# Altium PCB BMS_Slave_back.PcbDoc (part 2 of 2) (continued)
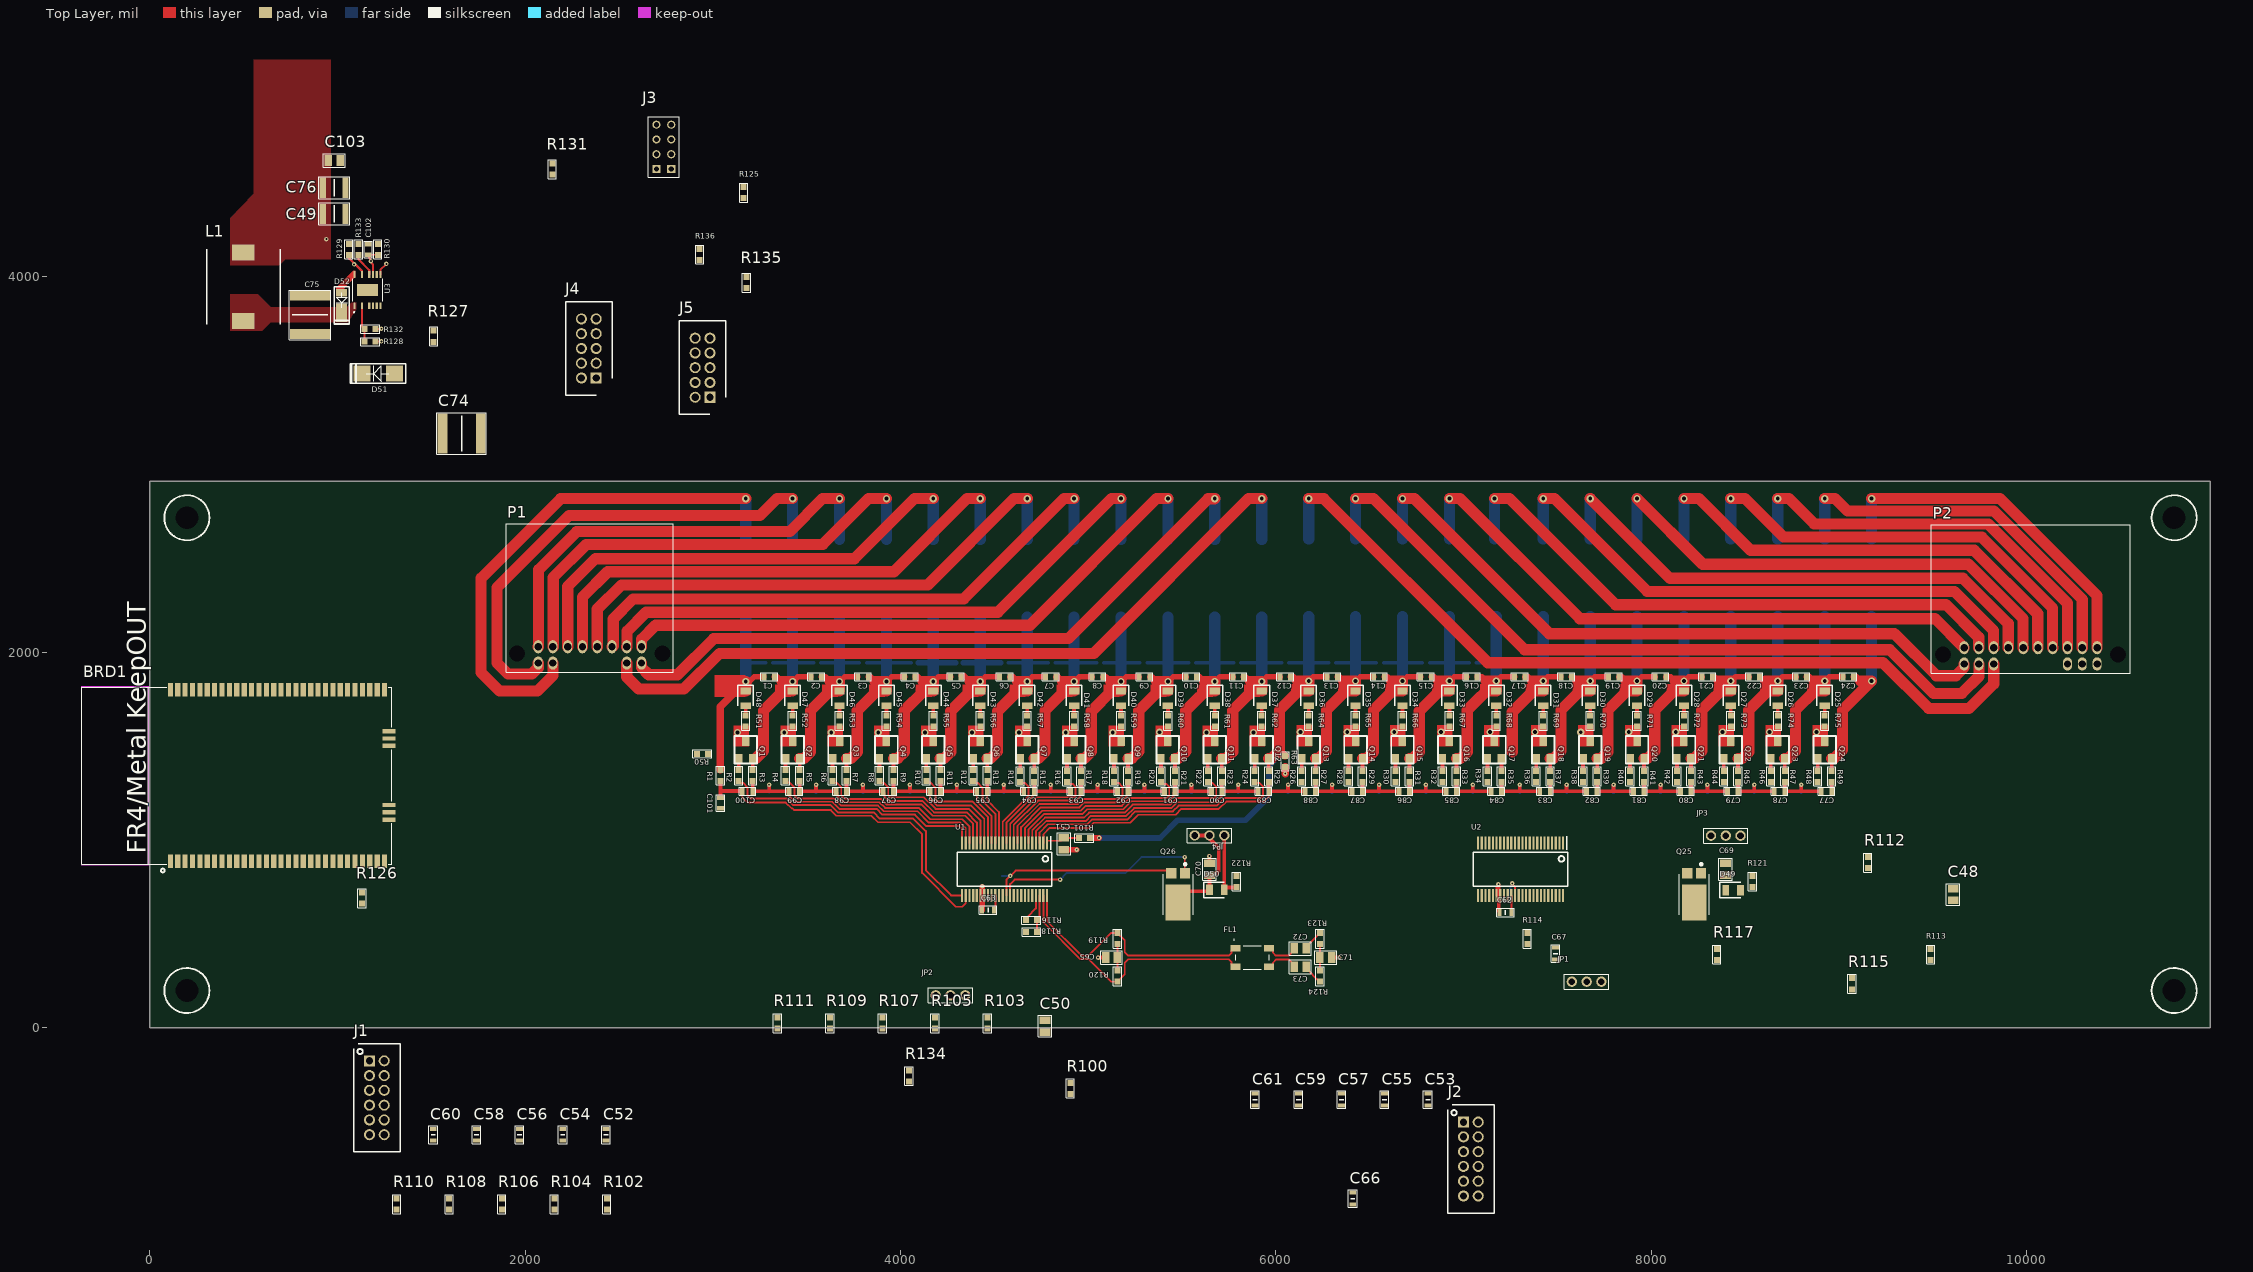
[diagram p0: Top Layer view]
## Nets (pads, with @x,y where several pads share a name; then routed paths per layer and width w, separated by ;. In a path a pad name is that pad's centre, name@x,y a point inside that pad or via, vN(x,y) a via of type N, cw(c..) or ccw(c..) an arc to the next point about the centre after c; other vN are vias at no path point) (continued)
  Bottom Layer w10: C64.1@7251.5,698.66 7251.5,755.23 7260,763.73 v2(7260,767.52)
NetC65_1: C65.1 R119.2 R120.2 | length 141
  Top Layer w10: R120.2@5156,303.16 5156,373.66 R119.2@5156,444.16
NetC66_1: C66.1 U1.35
NetC67_1: C67.1 JP1.1 Q25.2 U2.37 U2.40
NetC69_1: C69.1 D49.1 JP3.2 JP3.3 Q25.3
NetC70_1: C70.1 D50.1 JP4.2 JP4.3 Q26.3 | length 621.4
  Top Layer w10: Q26.3@5479.46,665.67 Q26.3@5540.6,726.81 ; D50.1@5639.67,726.81 D50.1@5646.52,733.66 ; C70.1@5646.52,812.17 C70.1@5674.5,812.17 ; JP4.2@5646.52,1007.59 JP4.2@5646.52,1023.66
  Top Layer w20: Q26.3@5540.6,726.81 D50.1@5639.67,726.81 ; JP4.3@5567.78,1023.66 JP4.2@5646.52,1023.66 ; D50.1@5646.52,733.66 C70.1@5646.52,812.17 ; JP4.2@5646.52,1007.59 5696,958.11 5696,833.66 C70.1@5674.5,812.17
NetC71_1: C71.1 R123.1 R124.2 | length 141
  Top Layer w10: R124.2@6235,303.16 C71.1@6235,373.08 R123.1@6235,444.16
NetC74_1: C74.1 R127.1
NetC75_1: C75.1 D51.1 R127.2 R128.2 R132.2 U3.3 | length 197.9
  Top Layer w10: U3.3@1129.92,3847.05 1129.92,3736.84 R132.2@1144.08,3722.68 R128.2@1144.08,3655
NetC102_1: C102.1 R130.2 U3.11 | length 154.2
  Top Layer w10: C102.1@1163.39,4117.87 1213.07,4117.87 R130.2@1214.57,4116.37 ; v2@1177.17,4083.27 1188.98,4065.16 U3.11@1188.98,4017.91
  Top Layer w12: C102.1@1163.39,4113.87 v2@1177.17,4083.27
  other v2: 1177.58,4084.27
NetD25_2: D25.2 R75.1 | length 51.1
  Top Layer w20: R75.1@8925,1663.16 D25.2@8925,1714.29
NetD26_2: D26.2 R74.1 | length 51.1
  Top Layer w20: R74.1@8675,1663.16 D26.2@8675,1714.29
NetD27_2: D27.2 R73.1 | length 51.1
  Top Layer w20: R73.1@8425,1663.16 D27.2@8425,1714.29
NetD28_2: D28.2 R72.1 | length 51.1
  Top Layer w20: R72.1@8175,1663.16 D28.2@8175,1714.29
NetD29_2: D29.2 R71.1 | length 51.1
  Top Layer w20: R71.1@7925,1663.16 D29.2@7925,1714.29
NetD30_2: D30.2 R70.1 | length 51.1
  Top Layer w20: R70.1@7675,1663.16 D30.2@7675,1714.29
NetD31_2: D31.2 R69.1 | length 51.2
  Top Layer w20: D31.2@7424.84,1714.29 7424.92,1714.21 7424.92,1663.24 R69.1@7425,1663.16
NetD32_2: D32.2 R68.1 | length 51.1
  Top Layer w20: R68.1@7175,1663.16 D32.2@7175,1714.29
NetD33_2: D33.2 R67.1 | length 51.1
  Top Layer w20: R67.1@6925,1663.16 D33.2@6925,1714.29
NetD34_2: D34.2 R66.1 | length 51.1
  Top Layer w20: R66.1@6675,1663.16 D34.2@6675,1714.29
NetD35_2: D35.2 R65.1 | length 51.1
  Top Layer w20: R65.1@6425,1663.16 D35.2@6425,1714.29
NetD36_2: D36.2 R64.1 | length 51.1
  Top Layer w20: R64.1@6175,1663.16 D36.2@6175,1714.29
NetD37_2: D37.2 R62.1 | length 51.1
  Top Layer w20: R62.1@5925,1663.16 D37.2@5925,1714.29
NetD38_2: D38.2 R61.1 | length 51.1
  Top Layer w20: R61.1@5675,1663.16 D38.2@5675,1714.29
NetD39_2: D39.2 R60.1 | length 51.1
  Top Layer w20: R60.1@5425,1663.16 D39.2@5425,1714.29
NetD40_2: D40.2 R59.1 | length 51.1
  Top Layer w20: R59.1@5175,1663.16 D40.2@5175,1714.29
NetD41_2: D41.2 R58.1 | length 51.1
  Top Layer w20: R58.1@4925,1663.16 D41.2@4925,1714.29
NetD42_2: D42.2 R57.1 | length 51.1
  Top Layer w20: R57.1@4675,1663.16 D42.2@4675,1714.29
NetD43_2: D43.2 R56.1 | length 51.1
  Top Layer w20: R56.1@4425,1663.16 D43.2@4425,1714.29
NetD44_2: D44.2 R55.1 | length 51.1
  Top Layer w20: R55.1@4175,1663.16 D44.2@4175,1714.29
NetD45_2: D45.2 R54.1 | length 51.1
  Top Layer w20: R54.1@3925,1663.16 D45.2@3925,1714.29
NetD46_2: D46.2 R53.1 | length 51.1
  Top Layer w20: R53.1@3675,1663.16 D46.2@3675,1714.29
NetD47_2: D47.2 R52.1 | length 50.5
  Top Layer w20: R52.1@3425,1663.16 3425.08,1663.24 3425.08,1713.5 D47.2@3425.16,1713.58
NetD48_2: D48.2 R51.1 | length 44.2
  Top Layer w20: R51.1@3175,1670.08 D48.2@3175,1714.29
NetD49_2: D49.2 JP3.1 R121.1
NetD50_2: D50.2 JP4.1 R122.1 | length 361.2
  Top Layer w10: D50.2@5725.26,733.66 D50.2@5737.98,746.38 ; R122.1@5787.22,746.38 R122.1@5790,749.16
  Top Layer w20: D50.2@5725.26,733.66 JP4.1@5725.26,1023.66 ; D50.2@5737.98,746.38 R122.1@5787.22,746.38
NetD52_1: D52.1 L1.1 U3.1
NetD52_2: D52.2 U3.16
NetJ4_8: J4.8 R131.2
NetJP1_2: JP1.2 U2.36
NetJP2_2: JP2.2 U1.36
NetQ1_1: Q1.1 R2.2 | length 60.2
  Top Layer w20: R2.2@3137.6,1373.16 Q1.1@3137.6,1433.39
NetQ1_3: Q1.3 R51.2 R76.1 | length 80.2
  Top Layer w20: Q1.3@3175,1523.94 R51.2@3175,1604.16
  other v1: 3130.91,1572.6
NetQ2_1: Q2.1 R4.2 | length 60.2
  Top Layer w20: R4.2@3387.6,1373.16 Q2.1@3387.6,1433.39
NetQ2_3: Q2.3 R52.2 R77.1 | length 80.2
  Top Layer w20: Q2.3@3425,1523.94 R52.2@3425,1604.16
  other v1: 3380.91,1572.6
NetQ3_1: Q3.1 R6.2 | length 60.2
  Top Layer w20: R6.2@3637.6,1373.16 Q3.1@3637.6,1433.39
NetQ3_3: Q3.3 R53.2 R78.1
  other v1: 3630.91,1572.6
NetQ4_1: Q4.1 R8.2 | length 60.2
  Top Layer w20: R8.2@3887.6,1373.16 Q4.1@3887.6,1433.39
NetQ4_3: Q4.3 R54.2 R79.1
  other v1: 3880.91,1572.6
NetQ5_1: Q5.1 R10.2 | length 60.2
  Top Layer w20: R10.2@4137.6,1373.16 Q5.1@4137.6,1433.39
NetQ5_3: Q5.3 R55.2 R80.1
  other v1: 4130.91,1572.6
NetQ6_1: Q6.1 R12.2 | length 60.2
  Top Layer w20: R12.2@4387.6,1373.16 Q6.1@4387.6,1433.39
NetQ6_3: Q6.3 R56.2 R81.1
  other v1: 4380.91,1572.6
NetQ7_1: Q7.1 R14.2 | length 65.2
  Top Layer w20: R14.2@4637.6,1368.16 Q7.1@4637.6,1433.39
NetQ7_3: Q7.3 R57.2 R82.1
  other v1: 4630.91,1572.6
NetQ8_1: Q8.1 R16.2 | length 65.2
  Top Layer w20: R16.2@4887.6,1368.16 Q8.1@4887.6,1433.39
NetQ8_3: Q8.3 R58.2 R83.1
  other v1: 4880.91,1572.6
NetQ9_1: Q9.1 R18.2 | length 65.2
  Top Layer w20: R18.2@5137.6,1368.16 Q9.1@5137.6,1433.39
NetQ9_3: Q9.3 R59.2 R84.1
  other v1: 5130.91,1572.6
NetQ10_1: Q10.1 R20.2 | length 65.2
  Top Layer w20: R20.2@5387.6,1368.16 Q10.1@5387.6,1433.39
NetQ10_3: Q10.3 R60.2 R85.1
  other v1: 5380,1573.66
NetQ11_1: Q11.1 R22.2 | length 65.2
  Top Layer w20: R22.2@5637.6,1368.16 Q11.1@5637.6,1433.39
NetQ11_3: Q11.3 R61.2 R86.1
  other v1: 5630.91,1572.6
NetQ12_1: Q12.1 R24.2 | length 65.2
  Top Layer w20: R24.2@5887.6,1368.16 Q12.1@5887.6,1433.39
NetQ12_3: Q12.3 R62.2 R87.1
  other v1: 5880.91,1572.6
NetQ13_1: Q13.1 R26.2 | length 65.2
  Top Layer w20: R26.2@6137.6,1368.16 Q13.1@6137.6,1433.39
NetQ13_3: Q13.3 R64.2 R88.1
  other v1: 6130.91,1575.1
NetQ14_1: Q14.1 R28.2 | length 65.2
  Top Layer w20: R28.2@6387.6,1368.16 Q14.1@6387.6,1433.39
NetQ14_3: Q14.3 R65.2 R89.1
  other v1: 6380.91,1575.1
NetQ15_1: Q15.1 R30.2 | length 65.2
  Top Layer w20: R30.2@6637.6,1368.16 Q15.1@6637.6,1433.39
NetQ15_3: Q15.3 R66.2 R90.1
  other v1: 6630.91,1575.1
NetQ16_1: Q16.1 R32.2 | length 65.2
  Top Layer w20: R32.2@6887.6,1368.16 Q16.1@6887.6,1433.39
NetQ16_3: Q16.3 R67.2 R91.1
  other v1: 6880.91,1575.1
NetQ17_1: Q17.1 R34.2 | length 65.2
  Top Layer w20: R34.2@7127.6,1368.16 Q17.1@7127.6,1433.39
NetQ17_3: Q17.3 R68.2 R92.1
  other v1: 7140.91,1575.1
NetQ18_1: Q18.1 R36.2 | length 65.2
  Top Layer w20: R36.2@7387.6,1368.16 Q18.1@7387.6,1433.39
NetQ18_3: Q18.3 R69.2 R93.1
  other v1: 7380.91,1575.1
NetQ19_1: Q19.1 R38.2 | length 65.2
  Top Layer w20: R38.2@7637.6,1368.16 Q19.1@7637.6,1433.39
NetQ19_3: Q19.3 R70.2 R94.1
  other v1: 7625,1573.66
NetQ20_1: Q20.1 R40.2 | length 65.2
  Top Layer w20: R40.2@7887.6,1368.16 Q20.1@7887.6,1433.39
NetQ20_3: Q20.3 R71.2 R95.1
  other v1: 7880.91,1575.1
NetQ21_1: Q21.1 R42.2 | length 65.2
  Top Layer w20: R42.2@8137.6,1368.16 Q21.1@8137.6,1433.39
NetQ21_3: Q21.3 R72.2 R96.1
  other v1: 8130.91,1575.1
NetQ22_1: Q22.1 R44.2 | length 65.2
  Top Layer w20: R44.2@8387.6,1368.16 Q22.1@8387.6,1433.39
NetQ22_3: Q22.3 R73.2 R97.1
  other v1: 8380.91,1575.1
NetQ23_1: Q23.1 R46.2 | length 65.2
  Top Layer w20: R46.2@8637.6,1368.16 Q23.1@8637.6,1433.39
NetQ23_3: Q23.3 R74.2 R98.1
  other v1: 8630.91,1575.1
NetQ24_1: Q24.1 R48.2 | length 65.2
  Top Layer w20: R48.2@8887.6,1368.16 Q24.1@8887.6,1433.39
NetQ24_3: Q24.3 R75.2 R99.1
  other v3: 8880.91,1575.1
NetQ25_1: Q25.1 U2.38
NetQ26_1: Q26.1 U1.38 | length 1138.1
  Top Layer w10: U1.38@4583.47,703.43 U1.38@4583.94,703.9 4583.94,764.37 4608.23,788.66 v2(4850,788.66) ; v2(5514.46,908.66) 5514.46,823.66 Q26.1@5515.68,822.44
  Bottom Layer w10: v2(4850,788.66) 4884,822.66 5199,822.66 5285,908.66 v2(5514.46,908.66)
NetR112_1: R112.1 U2.48
NetR112_2: R112.2 U2.47
NetR113_1: R113.1 U2.45
NetR113_2: R113.2 R117.1 U2.46
NetR114_1: R114.1 U2.44
NetR115_1: R115.1 U2.43
NetR116_1: R116.1 U1.45 | length 154.4
  Top Layer w10: R116.1@4667.9,571.76 4678.9,582.76 4678.9,591.56 4721.73,634.39 U1.45@4721.73,703.9
NetR116_2: R116.2 R118.1 U1.46 | length 200.2
  Top Layer w10: R118.1@4726.9,509.66 R116.2@4726.9,571.76 4741.42,586.27 U1.46@4741.42,703.9
NetR128_1: R128.1 R129.2 U3.14 | length 162.9
  Top Layer w10: R129.2@1060,4101.26 R129.2@1060,4116.37 ; U3.14@1129.92,4012.95 1129.92,4031.34 ; R128.1@1203.08,3655 v2@1233.58,3655
  Top Layer w12: R129.2@1060,4101.26 1129.92,4031.34
  other v2: 1234,3656 1088,4067
NetR132_1: R132.1 R133.2 U3.12 | length 157.6
  Top Layer w10: U3.12@1169.29,4012.95 1169.29,4036.16 ; R132.1@1203.08,3722.68 v2@1233.58,3722.68
  Top Layer w12: R133.2@1112.2,4116.37 1112.2,4093.24 1169.29,4036.16
  other v2: 1234,3723.68
NetU3_6: U3.6 U3.10
RESETn: BRD1.15 J5.6 R131.1
S1: R2.1 U1.25 | length 1590.6
  Top Layer w10: R2.1@3137.6,1314.16 3148.1,1303.66 3161.29,1303.66 3184.4,1280.55 3184.4,1236.78 3200,1221.18 3392.48,1221.18 3428.48,1185.18 3627.54,1185.18 3666.06,1146.66 3857,1146.66 3890,1113.66 4068,1113.66 4135,1046.66 4135,838.9 4270,703.9 U1.25@4328.03,703.9
S2: R4.1 U1.23 | length 1168.8
  Top Layer w10: R4.1@3387.6,1314.16 3396.81,1304.95 3410,1304.95 3434.4,1280.55 3434.4,1236.78 3450,1221.18 3644.64,1221.18 3683.16,1182.66 3880,1182.66 3910,1152.66 4090.54,1152.66 4151.54,1091.66 4318.12,1091.66 4347.72,1062.07 U1.23@4347.72,983.43
S3: R6.1 U1.21 | length 972
  Top Layer w10: R6.1@3637.6,1314.16 3647.46,1304.3 3660.64,1304.3 3674.79,1290.16 3684.4,1280.55 3684.4,1236.78 3702.52,1218.66 3895,1218.66 3925,1188.66 4111,1188.66 4171,1128.66 4344,1128.66 4387.09,1085.57 U1.21@4387.09,983.43
S4: R8.1 U1.19 | length 771.2
  Top Layer w10: R8.1@3887.6,1314.16 3897.46,1304.3 3910.64,1304.3 3934.4,1280.55 3934.4,1236.78 3944.02,1227.16 3980.79,1227.16 3980.88,1227.26 4124.54,1227.26 4187.14,1164.66 4364,1164.66 4426.46,1102.2 U1.19@4426.46,983.43
S5: R10.1 U1.17 | length 583.3
  Top Layer w10: R10.1@4137.6,1314.16 4146.81,1304.95 4160,1304.95 4186.4,1278.55 4186.4,1216.31 4199.05,1203.66 4385,1203.66 4465.83,1122.83 U1.17@4465.83,983.43
S6: R12.1 U1.15 | length 387.2
  Top Layer w10: R12.1@4387.6,1314.16 4398.6,1303.16 4411.79,1303.16 4436.4,1278.55 4436.4,1207.26 4505.2,1138.46 U1.15@4505.2,983.43
S7: R14.1 U1.13 | length 412
  Top Layer w10: U1.13@4544.57,983.43 4544.57,1096.94 4682.4,1234.78 4682.4,1282.55 4661.79,1303.16 4643.6,1303.16 R14.1@4637.6,1309.16
S8: R16.1 U1.11 | length 615.9
  Top Layer w10: U1.11@4583.94,983.43 4584.72,984.2 4584.72,1086.18 4725.7,1227.16 4924.79,1227.16 4932.4,1234.78 4932.4,1282.55 4916.79,1298.16 4898.6,1298.16 R16.1@4887.6,1309.16
S9: R18.1 U1.9 | length 819.8
  Top Layer w10: U1.9@4623.31,983.43 4623.31,1073.86 4740.61,1191.16 4946.1,1191.16 4972.31,1217.38 5165,1217.38 5182.4,1234.78 5182.4,1282.55 5161.79,1303.16 5143.6,1303.16 R18.1@5137.6,1309.16
S10: R20.1 U1.7 | length 1023.6
  Top Layer w10: U1.7@4662.68,983.43 4662.68,1062.32 4755.52,1155.16 4961.01,1155.16 4987.22,1181.38 5179.91,1181.38 5222.2,1223.66 5421.29,1223.66 5432.4,1234.78 5432.4,1282.55 5416.79,1298.16 5398.6,1298.16 R20.1@5387.6,1309.16
S11: R22.1 U1.5 | length 1227.5
  Top Layer w10: U1.5@4702.05,983.43 4702.05,1050.78 4770.43,1119.16 4978.79,1119.16 5005,1145.38 5194.82,1145.38 5237.11,1187.66 5436.2,1187.66 5471.6,1223.06 5670.69,1223.06 5682.4,1234.78 5682.4,1282.55 5661.79,1303.16 5643.6,1303.16 R22.1@5637.6,1309.16
S12: R24.1 U1.3 | length 1431.4
  Top Layer w10: U1.3@4741.42,983.43 4741.42,1039.23 4785.34,1083.16 4996.24,1083.16 5022.46,1109.38 5209.73,1109.38 5252.02,1151.66 5451.11,1151.66 5482.11,1182.66 5685.89,1182.66 5725.6,1222.38 5920,1222.38 5932.4,1234.78 5932.4,1282.55 5911.79,1303.16 5893.6,1303.16 R24.1@5887.6,1309.16
S13: R26.1 U2.25
S14: R28.1 U2.23
S15: R30.1 U2.21
S16: R32.1 U2.19
S17: R34.1 U2.17
S18: R36.1 U2.15
S19: R38.1 U2.13
S20: R40.1 U2.11
S21: R42.1 U2.9
S22: R44.1 U2.7
S23: R46.1 U2.5
S24: R48.1 U2.3
TCK: BRD1.19 J4.1
TDI: BRD1.16 J4.6
TDO: BRD1.17 J4.4
TMS: BRD1.18 J4.3
UARTC0_RX: BRD1.32 J5.10
UARTC0_TX: BRD1.31 J5.9
pads on no net: BRD1.2 BRD1.3 BRD1.4 BRD1.5 BRD1.6 BRD1.7 BRD1.8 BRD1.9 BRD1.10 BRD1.12 BRD1.13 BRD1.14 BRD1.21 BRD1.22 BRD1.23 BRD1.24 BRD1.25 BRD1.26 BRD1.28 BRD1.29 BRD1.43 BRD1.45 BRD1.46 BRD1.47 BRD1.48 BRD1.49 BRD1.50 BRD1.52 BRD1.53 BRD1.54 BRD1.57 BRD1.58 BRD1.59 BRD1.60 BRD1.61 BRD1.62 BRD1.65 J1.11 J1.12 J2.11 J2.12 J3.A2 J3.A3 J4.9 P1.0 P2.0 P2.1 P2.2 P2.3 U1.39 U2.39 U3.5

## Polygon pours and split planes (outlines as drawn)
CELL16 on Bottom Layer "Bottom-N17555838" (solid, remove dead copper, pour order 98): 7251.77,1916.16 7098.23,1916.16 7098.23,1736.16 7251.77,1736.16
NetQ17_3 on Bottom Layer "Bottom-N18852330" (solid, remove dead copper, pour order 96): 7098.23,1430.1 7251.77,1430.1 7251.77,1610.1 7098.23,1610.1
NetQ24_3 on Bottom Layer "Bottom-N18852330" (solid, remove dead copper, pour order 94): 8848.23,1430.1 9001.77,1430.1 9001.77,1610.1 8848.23,1610.1
NetQ23_3 on Bottom Layer "Bottom-N18852330" (solid, remove dead copper, pour order 92): 8598.23,1430.1 8751.77,1430.1 8751.77,1610.1 8598.23,1610.1
NetQ22_3 on Bottom Layer "Bottom-N18852330" (solid, remove dead copper, pour order 90): 8348.23,1430.1 8501.77,1430.1 8501.77,1610.1 8348.23,1610.1
NetQ21_3 on Bottom Layer "Bottom-N18852330" (solid, remove dead copper, pour order 88): 8098.23,1430.1 8251.77,1430.1 8251.77,1610.1 8098.23,1610.1
NetQ20_3 on Bottom Layer "Bottom-N18852330" (solid, remove dead copper, pour order 86): 7848.23,1430.1 8001.77,1430.1 8001.77,1610.1 7848.23,1610.1
NetQ19_3 on Bottom Layer "Bottom-N18852330" (solid, remove dead copper, pour order 84): 7598.23,1430.1 7751.77,1430.1 7751.77,1610.1 7598.23,1610.1
NetQ18_3 on Bottom Layer "Bottom-N18852330" (solid, remove dead copper, pour order 82): 7348.23,1430.1 7501.77,1430.1 7501.77,1610.1 7348.23,1610.1
NetQ16_3 on Bottom Layer "Bottom-N18852330" (solid, remove dead copper, pour order 78): 6848.23,1430.1 7001.77,1430.1 7001.77,1610.1 6848.23,1610.1
NetQ15_3 on Bottom Layer "Bottom-N18852330" (solid, remove dead copper, pour order 76): 6598.23,1430.1 6751.77,1430.1 6751.77,1610.1 6598.23,1610.1
NetQ14_3 on Bottom Layer "Bottom-N18852330" (solid, remove dead copper, pour order 74): 6348.23,1430.1 6501.77,1430.1 6501.77,1610.1 6348.23,1610.1
NetQ13_3 on Bottom Layer "Bottom-N18852330" (solid, remove dead copper, pour order 72): 6098.23,1430.1 6251.77,1430.1 6251.77,1610.1 6098.23,1610.1
NetQ12_3 on Bottom Layer "Bottom-N18852330" (solid, remove dead copper, pour order 70): 5848.23,1427.6 6001.77,1427.6 6001.77,1607.6 5848.23,1607.6
NetQ11_3 on Bottom Layer "Bottom-N18852330" (solid, remove dead copper, pour order 68): 5598.23,1427.6 5751.77,1427.6 5751.77,1607.6 5598.23,1607.6
NetQ10_3 on Bottom Layer "Bottom-N18852330" (solid, remove dead copper, pour order 66): 5348.23,1427.6 5501.77,1427.6 5501.77,1607.6 5348.23,1607.6
NetQ9_3 on Bottom Layer "Bottom-N18852330" (solid, remove dead copper, pour order 64): 5098.23,1427.6 5251.77,1427.6 5251.77,1607.6 5098.23,1607.6
NetQ8_3 on Bottom Layer "Bottom-N18852330" (solid, remove dead copper, pour order 62): 4848.23,1427.6 5001.77,1427.6 5001.77,1607.6 4848.23,1607.6
NetQ7_3 on Bottom Layer "Bottom-N18852330" (solid, remove dead copper, pour order 60): 4598.23,1427.6 4751.77,1427.6 4751.77,1607.6 4598.23,1607.6
NetQ6_3 on Bottom Layer "Bottom-N18852330" (solid, remove dead copper, pour order 58): 4348.23,1427.6 4501.77,1427.6 4501.77,1607.6 4348.23,1607.6
NetQ5_3 on Bottom Layer "Bottom-N18852330" (solid, remove dead copper, pour order 56): 4098.23,1427.6 4251.77,1427.6 4251.77,1607.6 4098.23,1607.6
NetQ4_3 on Bottom Layer "Bottom-N18852330" (solid, remove dead copper, pour order 54): 3848.23,1427.6 4001.77,1427.6 4001.77,1607.6 3848.23,1607.6
NetQ3_3 on Bottom Layer "Bottom-N18852330" (solid, remove dead copper, pour order 52): 3598.23,1427.6 3751.77,1427.6 3751.77,1607.6 3598.23,1607.6
NetQ2_3 on Bottom Layer "Bottom-N18852330" (solid, remove dead copper, pour order 50): 3348.23,1427.6 3501.77,1427.6 3501.77,1607.6 3348.23,1607.6
NetQ1_3 on Bottom Layer "Bottom-N18852330" (solid, remove dead copper, pour order 48): 3098.23,1427.6 3251.77,1427.6 3251.77,1607.6 3098.23,1607.6
CELL12 on Bottom Layer "Bottom-N17555838" (solid, remove dead copper, pour order 46): 6251.77,1916.16 6098.23,1916.16 6098.23,1736.16 6251.77,1736.16
CELL13 on Bottom Layer "Bottom-N17555838" (solid, remove dead copper, pour order 44): 6501.77,1916.16 6348.23,1916.16 6348.23,1736.16 6501.77,1736.16
CELL14 on Bottom Layer "Bottom-N17555838" (solid, remove dead copper, pour order 42): 6751.77,1916.16 6598.23,1916.16 6598.23,1736.16 6751.77,1736.16
CELL15 on Bottom Layer "Bottom-N17555838" (solid, remove dead copper, pour order 40): 7001.77,1916.16 6848.23,1916.16 6848.23,1736.16 7001.77,1736.16
CELL17 on Bottom Layer "Bottom-N17555838" (solid, remove dead copper, pour order 36): 7501.77,1916.16 7348.23,1916.16 7348.23,1736.16 7501.77,1736.16
CELL18 on Bottom Layer "Bottom-N17555838" (solid, remove dead copper, pour order 34): 7751.77,1916.16 7598.23,1916.16 7598.23,1736.16 7751.77,1736.16
CELL19 on Bottom Layer "Bottom-N17555838" (solid, remove dead copper, pour order 32): 8001.77,1916.16 7848.23,1916.16 7848.23,1736.16 8001.77,1736.16
CELL20 on Bottom Layer "Bottom-N17555838" (solid, remove dead copper, pour order 30): 8251.77,1916.16 8098.23,1916.16 8098.23,1736.16 8251.77,1736.16
CELL21 on Bottom Layer "Bottom-N17555838" (solid, remove dead copper, pour order 28): 8501.77,1916.16 8348.23,1916.16 8348.23,1736.16 8501.77,1736.16
CELL22 on Bottom Layer "Bottom-N17555838" (solid, remove dead copper, pour order 26): 8751.77,1916.16 8598.23,1916.16 8598.23,1736.16 8751.77,1736.16
CELL23 on Bottom Layer "Bottom-N17555838" (solid, remove dead copper, pour order 24): 9001.77,1916.16 8848.23,1916.16 8848.23,1736.16 9001.77,1736.16
CELL11 on Bottom Layer "Bottom-N17555838" (solid, remove dead copper, pour order 22): 6001.77,1913.66 5848.23,1913.66 5848.23,1733.66 6001.77,1733.66
CELL10 on Bottom Layer "Bottom-N17555838" (solid, remove dead copper, pour order 20): 5751.77,1913.66 5598.23,1913.66 5598.23,1733.66 5751.77,1733.66
CELL9 on Bottom Layer "Bottom-N17555838" (solid, remove dead copper, pour order 18): 5501.77,1913.66 5348.23,1913.66 5348.23,1733.66 5501.77,1733.66
CELL8 on Bottom Layer "Bottom-N17555838" (solid, remove dead copper, pour order 16): 5251.77,1913.66 5098.23,1913.66 5098.23,1733.66 5251.77,1733.66
CELL7 on Bottom Layer "Bottom-N17555838" (solid, remove dead copper, pour order 14): 5001.77,1913.66 4848.23,1913.66 4848.23,1733.66 5001.77,1733.66
CELL6 on Bottom Layer "Bottom-N17555838" (solid, remove dead copper, pour order 12): 4751.77,1913.66 4598.23,1913.66 4598.23,1733.66 4751.77,1733.66
CELL5 on Bottom Layer "Bottom-N17555838" (solid, remove dead copper, pour order 10): 4501.77,1913.66 4348.23,1913.66 4348.23,1733.66 4501.77,1733.66
CELL4 on Bottom Layer "Bottom-N17555838" (solid, remove dead copper, pour order 8): 4251.77,1913.66 4098.23,1913.66 4098.23,1733.66 4251.77,1733.66
CELL3 on Bottom Layer "Bottom-N17555838" (solid, remove dead copper, pour order 6): 4001.77,1913.66 3848.23,1913.66 3848.23,1733.66 4001.77,1733.66
CELL2 on Bottom Layer "Bottom-N17555838" (solid, remove dead copper, pour order 4): 3751.77,1913.66 3598.23,1913.66 3598.23,1733.66 3751.77,1733.66
CELL1 on Bottom Layer "Bottom-N17555838" (solid, remove dead copper, pour order 2): 3501.77,1913.66 3348.23,1913.66 3348.23,1733.66 3501.77,1733.66
CELL0 on Bottom Layer "Bottom-N17555838" (solid, remove dead copper, pour order 0): 3251.77,1913.66 3098.23,1913.66 3098.23,1733.66 3251.77,1733.66
NetD52_1 on Top Layer "Top-N918434" (solid, remove dead copper, pour order 102): 1098.58,3862.68 1098.58,3827.68 1053.58,3757.68 643.07,3757.68 599.85,3712.68 428.58,3712.68 428.58,3907.68 573.58,3907.68 643.58,3837.68 1048.58,3837.68 1073.58,3862.68
3.3V on Top Layer "Top-VOUT" (solid, remove dead copper, pour order 100): 963.58,4095.18 963.58,5157.68 553.58,5157.68 553.58,4442.68 428.58,4312.68 428.58,4062.68 688.58,4062.68 721.08,4095.18
no net on Layer 1 (split plane): 10979.95,0.05 0.05,0.05 0.05,2909.95 10979.95,2909.95
no net on Layer 2 (split plane): 10979.95,0.05 0.05,0.05 0.05,2909.95 10979.95,2909.95

## Other copper
Top Layer:
  region net NetD52_2: 992.13,3905.71 992.13,3941.14 1084.65,4033.66 1094.49,4033.66 1094.49,4000.2 1035.43,3941.14 1035.43,3905.71 992.13,3905.71
  region net CELL12: 6082.48,1765.45 6165.16,1765.45 6165.16,1828.44 6082.48,1828.44 6082.48,1765.45
  region net NetQ24_3: 8860.91,1610.1 8940.91,1610.1 8940.91,1500.1 8860.91,1500.1 8860.91,1610.1
  region net NetQ23_3: 8610.91,1610.1 8690.91,1610.1 8690.91,1500.1 8610.91,1500.1 8610.91,1610.1
  region net NetQ22_3: 8360.91,1610.1 8440.91,1610.1 8440.91,1500.1 8360.91,1500.1 8360.91,1610.1
  region net NetQ21_3: 8110.91,1610.1 8190.91,1610.1 8190.91,1500.1 8110.91,1500.1 8110.91,1610.1
  region net NetQ20_3: 7860.91,1610.1 7940.91,1610.1 7940.91,1500.1 7860.91,1500.1 7860.91,1610.1
  region net NetQ19_3: 7610.91,1610.1 7690.91,1610.1 7690.91,1500.1 7610.91,1500.1 7610.91,1610.1
  region net NetQ18_3: 7360.91,1610.1 7440.91,1610.1 7440.91,1500.1 7360.91,1500.1 7360.91,1610.1
  region net NetQ17_3: 7110.91,1610.1 7190.91,1610.1 7190.91,1500.1 7110.91,1500.1 7110.91,1610.1
  region net NetQ16_3: 6860.91,1610.1 6940.91,1610.1 6940.91,1500.1 6860.91,1500.1 6860.91,1610.1
  region net NetQ15_3: 6610.91,1610.1 6690.91,1610.1 6690.91,1500.1 6610.91,1500.1 6610.91,1610.1
  region net NetQ14_3: 6360.91,1610.1 6440.91,1610.1 6440.91,1500.1 6360.91,1500.1 6360.91,1610.1
  region net NetQ13_3: 6110.91,1610.1 6190.91,1610.1 6190.91,1500.1 6110.91,1500.1 6110.91,1610.1
  region net NetQ12_3: 5860.91,1607.6 5940.91,1607.6 5940.91,1497.6 5860.91,1497.6 5860.91,1607.6
  region net NetQ11_3: 5610.91,1607.6 5690.91,1607.6 5690.91,1497.6 5610.91,1497.6 5610.91,1607.6
  region net NetQ10_3: 5360,1608.66 5440,1608.66 5440,1498.66 5360,1498.66 5360,1608.66
  region net NetQ9_3: 5110.91,1607.6 5190.91,1607.6 5190.91,1497.6 5110.91,1497.6 5110.91,1607.6
  region net NetQ8_3: 4860.91,1607.6 4940.91,1607.6 4940.91,1497.6 4860.91,1497.6 4860.91,1607.6
  region net NetQ7_3: 4610.91,1607.6 4690.91,1607.6 4690.91,1497.6 4610.91,1497.6 4610.91,1607.6
  region net NetQ6_3: 4360.91,1607.6 4440.91,1607.6 4440.91,1497.6 4360.91,1497.6 4360.91,1607.6
  region net NetQ5_3: 4110.91,1607.6 4190.91,1607.6 4190.91,1497.6 4110.91,1497.6 4110.91,1607.6
  region net NetQ4_3: 3860.91,1607.6 3940.91,1607.6 3940.91,1497.6 3860.91,1497.6 3860.91,1607.6
  region net NetQ3_3: 3610.91,1607.6 3690.91,1607.6 3690.91,1497.6 3610.91,1497.6 3610.91,1607.6
  region net NetQ1_3: 3110.91,1607.6 3190.91,1607.6 3190.91,1497.6 3110.91,1497.6 3110.91,1607.6
  region net NetQ2_3: 3360.91,1607.6 3440.91,1607.6 3440.91,1497.6 3360.91,1497.6 3360.91,1607.6
  region net CELL23: 8832.48,1765.45 8915.16,1765.45 8915.16,1828.44 8832.48,1828.44 8832.48,1765.45
  region net CELL22: 8582.48,1765.45 8665.16,1765.45 8665.16,1828.44 8582.48,1828.44 8582.48,1765.45
  region net CELL21: 8332.48,1765.45 8415.16,1765.45 8415.16,1828.44 8332.48,1828.44 8332.48,1765.45
  region net CELL20: 8082.48,1765.45 8165.16,1765.45 8165.16,1828.44 8082.48,1828.44 8082.48,1765.45
  region net CELL19: 7832.48,1765.45 7915.16,1765.45 7915.16,1828.44 7832.48,1828.44 7832.48,1765.45
  region net CELL18: 7582.48,1765.45 7665.16,1765.45 7665.16,1828.44 7582.48,1828.44 7582.48,1765.45
  region net CELL17: 7332.48,1765.45 7415.16,1765.45 7415.16,1828.44 7332.48,1828.44 7332.48,1765.45
  region net CELL16: 7090,1765.45 7172.68,1765.45 7172.68,1828.44 7090,1828.44 7090,1765.45
  region net CELL15: 6832.48,1765.45 6915.16,1765.45 6915.16,1828.44 6832.48,1828.44 6832.48,1765.45
  region net CELL14: 6582.48,1765.45 6665.16,1765.45 6665.16,1828.44 6582.48,1828.44 6582.48,1765.45
  region net CELL13: 6332.48,1765.45 6415.16,1765.45 6415.16,1828.44 6332.48,1828.44 6332.48,1765.45
  region net CELL11: 5832.48,1762.95 5915.16,1762.95 5915.16,1825.94 5832.48,1825.94 5832.48,1762.95
  region net CELL10: 5582.48,1762.95 5665.16,1762.95 5665.16,1825.94 5582.48,1825.94 5582.48,1762.95
  region net CELL9: 5332.48,1762.95 5415.16,1762.95 5415.16,1825.94 5332.48,1825.94 5332.48,1762.95
  region net CELL8: 5082.48,1762.95 5165.16,1762.95 5165.16,1825.94 5082.48,1825.94 5082.48,1762.95
  region net CELL7: 4832.48,1762.95 4915.16,1762.95 4915.16,1825.94 4832.48,1825.94 4832.48,1762.95
  region net CELL6: 4582.48,1762.95 4665.16,1762.95 4665.16,1825.94 4582.48,1825.94 4582.48,1762.95
  region net CELL5: 4332.48,1762.95 4415.16,1762.95 4415.16,1825.94 4332.48,1825.94 4332.48,1762.95
  region net CELL4: 4082.48,1762.95 4165.16,1762.95 4165.16,1825.94 4082.48,1825.94 4082.48,1762.95
  region net CELL3: 3832.48,1762.95 3915.16,1762.95 3915.16,1825.94 3832.48,1825.94 3832.48,1762.95
  region net CELL2: 3582.48,1762.95 3665.16,1762.95 3665.16,1825.94 3582.48,1825.94 3582.48,1762.95
  region net CELL1: 3332.48,1762.95 3415.16,1762.95 3415.16,1825.94 3332.48,1825.94 3332.48,1762.95
  region net CELL0: 3010.91,1762.95 3173.03,1762.95 3173.03,1877.6 3010.91,1877.6 3010.91,1762.95
Layer 2 (plane layer: these items are gaps in the copper):
  lines w12: 940.95,4201.63 1001.58,4141 1152.92,4141 1260.1,4069.54 ; 1108.45,4058.63 1129.08,4038 1244.42,4038 1284.42,3998 1284.42,3706.42 1234,3656

## Silkscreen, mask and mechanical layers (free items; w line width, h text height)
Top Overlay:
  circle w10: c10787.4,196.85 r120
  circle w10: c10787.4,2716.54 r120
  circle w10: c196.85,196.85 r120
  circle w10: c196.85,2716.54 r120

## Text inside footprints (layer, text, board x,y; h text height)
BRD1: Top Overlay "FR4/Metal KeepOUT" at -21.18,926.61 h100 r90